# Altium PCB 6_数控电源.PcbDoc
Units mm, origin at the board's own origin, x right, y up, seen from the top; angles counter-clockwise.
Board outline 83.95 x 67.44 mm, 2 copper layers (Top Layer, Bottom Layer); 92 components, 26 nets, 277 pads, 258 vias.
Unrouted connection lines stored in the file: 2.
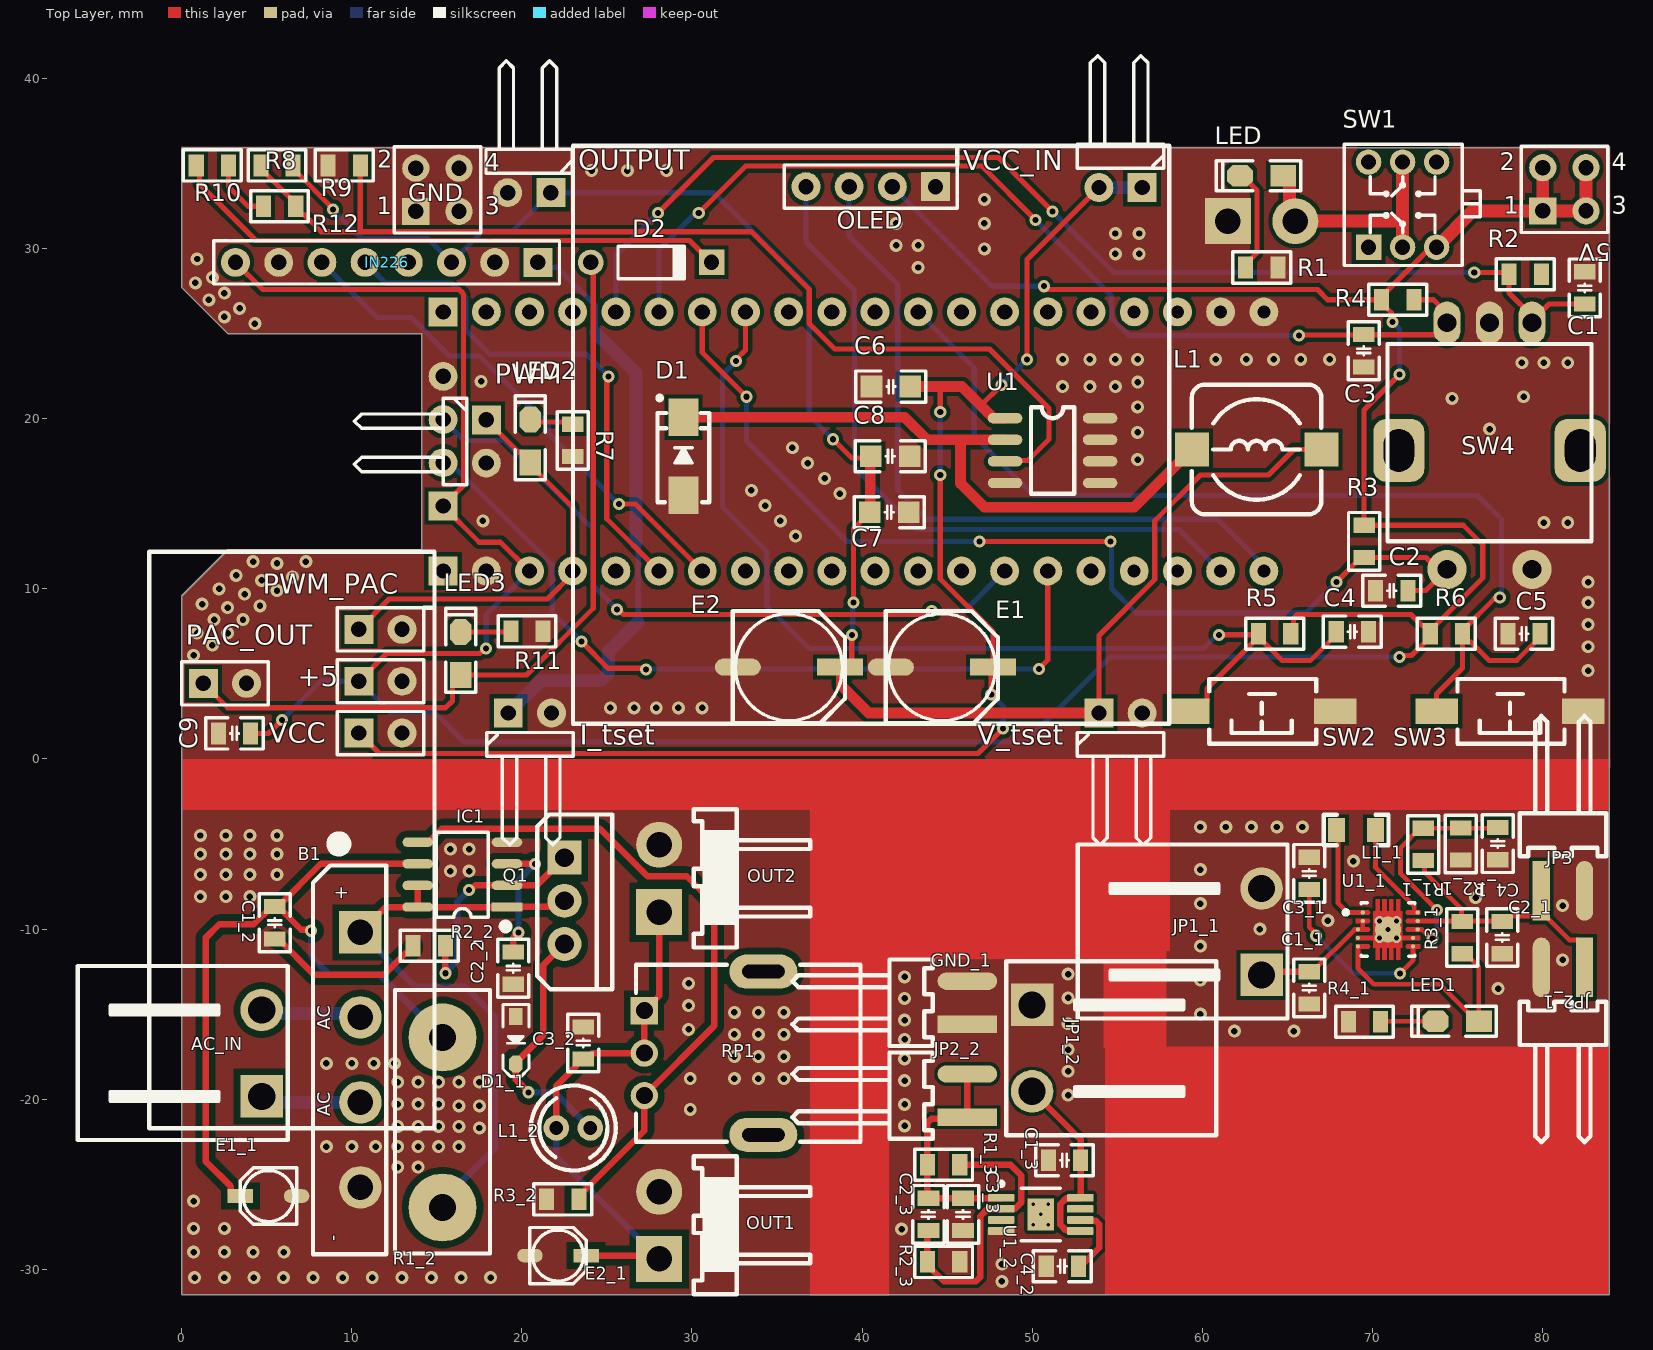
[diagram p0: Top Layer view]
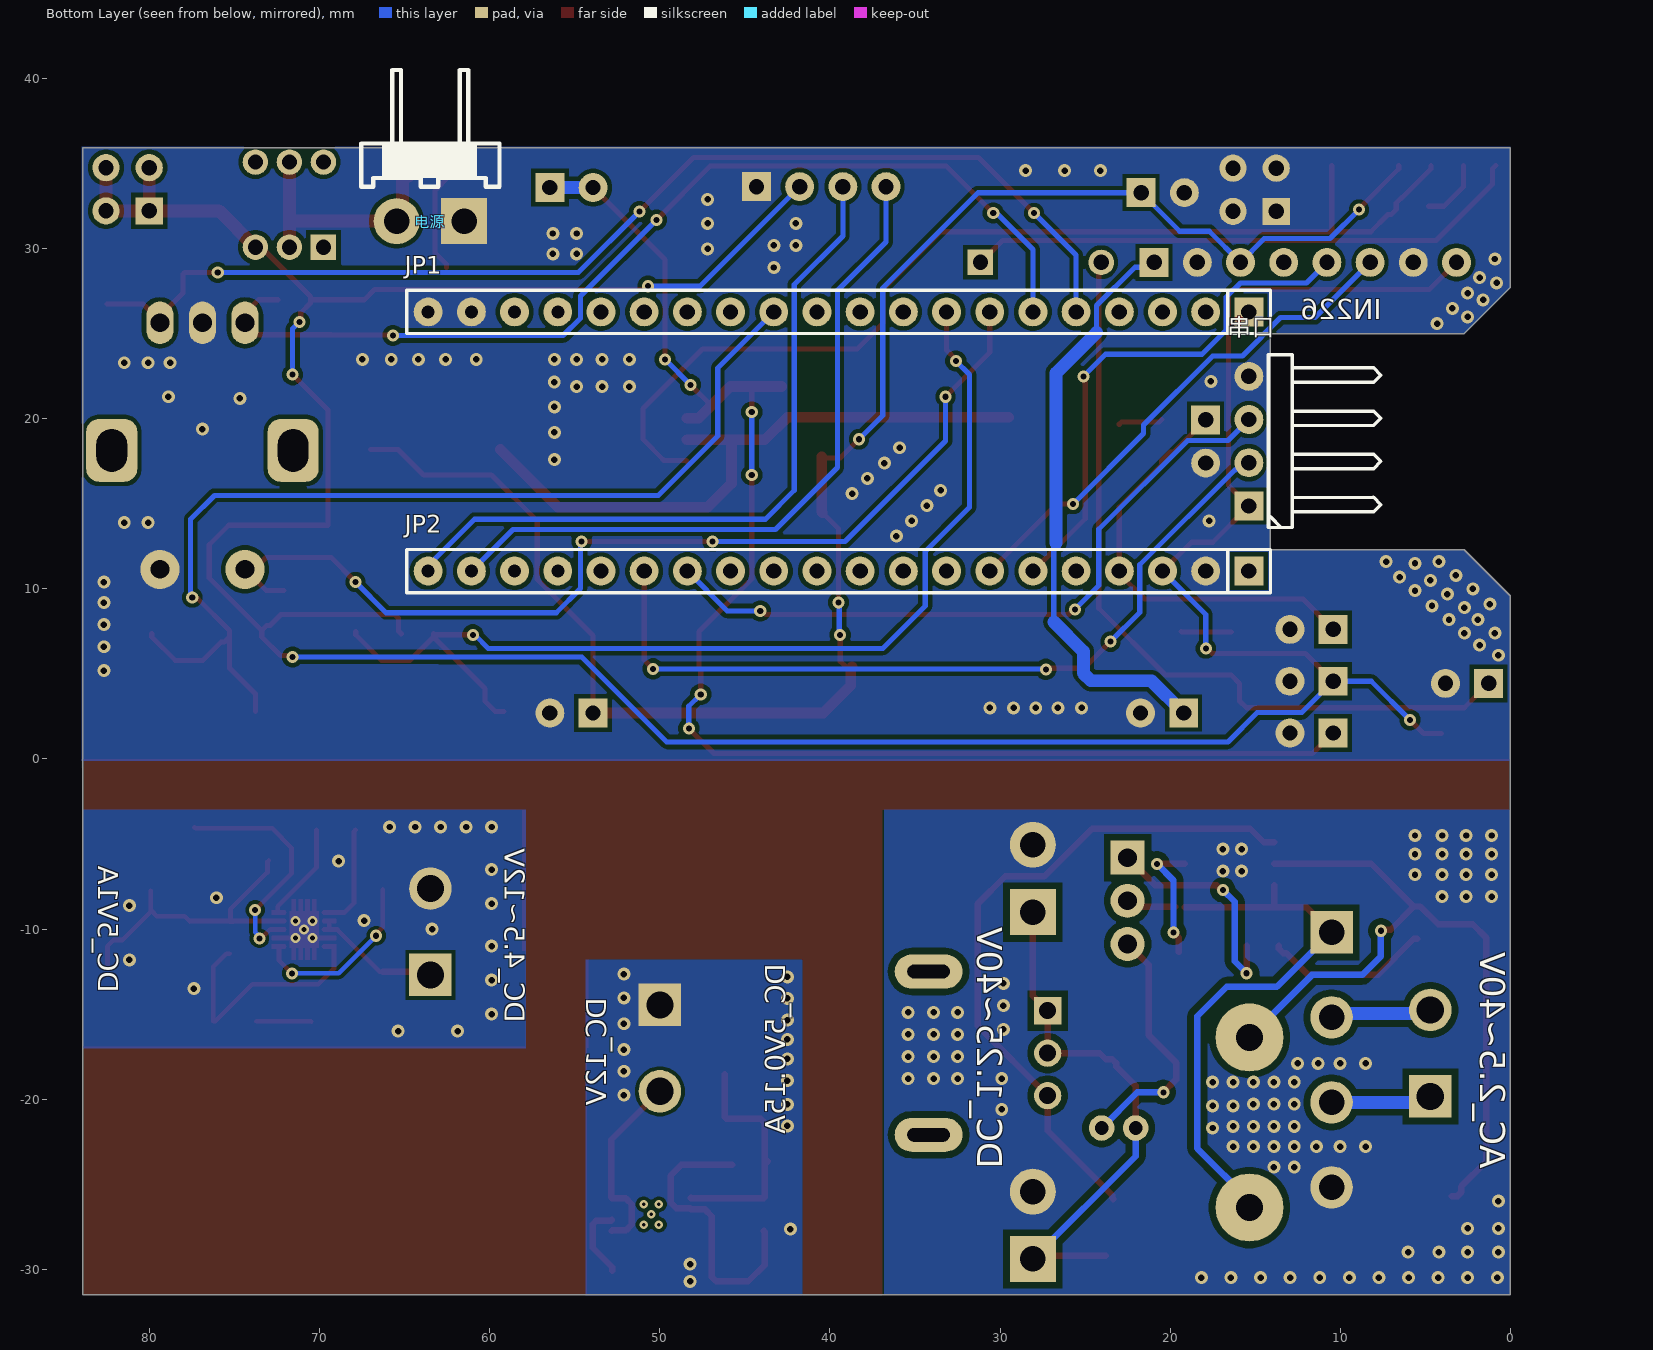
[diagram p1: Bottom Layer view, seen from below]

## Layer stack, top to bottom
Top Solder: solder mask 0.0102, Solder Resist, Dk 3.5
Top Layer: signal copper 0.0356
Dielectric 1: dielectric 0.32, FR-4, Dk 4.8
Bottom Layer: signal copper 0.0356
Bottom Solder: solder mask 0.0102, Solder Resist, Dk 3.5

## Board outline
0,-31.5 0,9.6 2.7,12.3 14.078,12.3 14.097,12.319 14.097,25.019 2.706,25.019 0,27.725 0,35.941 83.947,35.941 83.947,-3 83.95,-3 83.95,-31.5

## Design rules (kind name [scope] priority, off if disabled: settings)
Clearance [All] p1: gap=0.203 ignorepadtopadclearanceinfootprint=FALSE except(0.254: Arc-Poly Track-Poly SMDPad-Poly THPad-Poly Via-Poly Fill-Poly Poly-Poly)
PolygonConnect [All] p1: connectstyle=Direct reliefconductorwidth=0.254 reliefentries=4 polygonreliefangle="90 Angle" airgapwidth=0.254
RoutingVias [All] p1: holewidth=0.356 width=0.711 viastyle="Through Hole" minholewidth=0.025 minwidth=0.025 maxholewidth=0.711 maxwidth=1.27
SolderMaskExpansion [All] p1: expansion=0.102 istentingtop=FALSE
Width [All] p1: maxlimit=0.762 minlimit=0.025 preferedwidth=0.305
30 further rules are at their usual default settings.

## Classes and differential pairs
component class 6_数控电源: 2 5V +5 C1 C2 C3 C4 C5 C6 C7 C8 C9 D1 D2 E1 E2 GND I_tset IN226 JP1 JP2 L1 LED LED2 OLED OUTPUT PAC_OUT PWM PWM_PAC R1 R2 R3 R4 R5 R6 R7 R8 R9 R10 R11 R12 SW1 SW2 SW3 SW4 U1 V_tset VCC VCC_IN 串口 电源

## Components (designator, comment, footprint, x,y, rotation, side; value= is the part's Value field where it differs from the comment)
5V "Header2X2" HDR2.54-LI-2x2P 81.3,33.5 r0 top
+5 "HDR-1X2" HDR2.54-M-LI-2P 11.684,4.572 r0 top
AC_IN "HDR-1X2" KF2EDGK5.08-WI-2P 4.7,-17.3 r90 top
B1 "GBU810" GBU 10.507,-17.692 r90 top
C1 "1nF" "C 0805_L" 82.5,27.7 r270 top
C1_1 "2X10uF" "C 0805_L" 66.292,-13.461 r90 top (schematic designator C1)
C1_2 "104" "C 0805_L" 5.475,-9.625 r270 top (schematic designator C1)
C1_3 "15uF" "C 0805_L" 51.908,-23.606 r0 top (schematic designator C1)
C2 "1nF" "C 0805_L" 71.15,9.9 r0 top
C2_1 "3X22uF" "C 0805_L" 77.65,-10.5 r90 top (schematic designator C2)
C2_2 "180pF" "C 0805_L" 19.5,-12.3 r90 top (schematic designator C2)
C2_3 "10nF" "C 0805_L" 43.907,-26.781 r90 top (schematic designator C2)
C3 "1nF" "C 0805_L" 69.5,24 r90 top
C3_1 "0.1uF" "C 0805_L" 66.292,-6.73 r270 top (schematic designator C3)
C3_2 "104" "C 0805_L" 23.6,-16.7 r270 top (schematic designator C3)
C3_3 "15uF" "C 0805_L" 45.939,-26.781 r90 top (schematic designator C3)
C4 "0.1uF" "C 0805_L" 68.834,7.493 r180 top
C4_1 "10pF" "C 0805_L" 77.375,-4.975 r90 top (schematic designator C4)
C4_2 "10nF" "C 0805_L" 51.781,-29.829 r0 top (schematic designator C4)
C5 "0.1uF" "C 0805_L" 78.928,7.366 r0 top
C6 "104" "C 0805_M" 41.7,21.9 r0 top
C7 "104" "C 0805_M" 41.6,14.5 r180 top
C8 "226" "C 0805_M" 41.657,17.8 r180 top
C9 "104" "C 0805_L" 3.1,1.5 r0 top
D1 "SS14" SMA 29.5,17.8 r90 top
D1_1 "1N5819" SOD-323 19.65,-16.55 r270 top (schematic designator D1)
D2 "1N4148" DO-35 27.6,29.2 r0 top
E1 "100uF/35V" "CT 6*6 - V" 44.7,5.4 r0 top
E1_1 "470uF/50V" "CM A(3*5.4)" 5.1,-25.7 r180 top (schematic designator E1)
E2 "220uF/16V" "CT 6*6 - V" 35.7,5.4 r0 top
E2_1 "1000uF/25V" "CM A(3*5.4)" 22.125,-29.2 r0 top (schematic designator E2)
GND "Header2X2" HDR2.54-LI-2x2P 15.03,33.47 r0 top
GND_1 "HDR-1X2" HDR2.54-WS-2P 46.193,-14.335 r90 top (schematic designator JP3)
I_tset "HDR-1X2" HDR2.54-WI-2P 20.47,2.7 r0 top
IC1 "MC34063" SOP8_N 16.5,-6.8 r180 top
IN226 "HDR-1X8" HDR2.54-M-LI-8P 12.05,29.2 r180 top
JP1 "HDR-1X20" HDR2.54-M-LI-20P 39.497,26.289 r0 bottom
JP1_1 "HDR-1X2" KF2EDGK5.08-WI-2P 63.498,-10.159 r90 top (schematic designator JP1)
JP1_2 "HDR-1X2" KF2EDGK5.08-WI-2P 50.003,-17.002 r270 top (schematic designator JP1)
JP2 "HDR-1X20" HDR2.54-M-LI-20P 39.497,11.049 r0 bottom
JP2_1 "HDR-1X2" HDR2.54-WS-2P 81.217,-12.25 r180 top (schematic designator JP2)
JP2_2 "HDR-1X2" HDR2.54-WS-2P 46.193,-19.796 r90 top (schematic designator JP2)
JP3 "HDR-1X2" HDR2.54-WS-2P 81.217,-7.754 r0 top
L1 "47uH" CDRH73 63.2,18.2 r0 top
L1_1 "1.5uH" "L 0805" 69.05,-4.175 r0 top (schematic designator L1)
L1_2 "470uH" PK0406 23.025,-21.7 r180 top (schematic designator L1)
LED "红色" "LED 0805G" 63.5,34.29 r180 top
LED1 "红色" "LED 0805G" 75,-15.425 r180 top
LED2 "红色" "LED 0805G" 20.495,18.694 r90 top
LED3 "红色" "LED 0805G" 16.4,6.2 r90 top
OLED "HDR-1X4" HDR2.54-M-LI-4P 40.513,33.655 r180 top
OUT1 "HDR-1X2" VH3.96-WI-2P 28.071,-27.421 r90 top
OUT2 "HDR-1X2" VH3.96-WI-2P 28.071,-7.024 r90 top
OUTPUT "HDR-1X2" HDR2.54-WI-2P 20.43,33.3 r180 top
PAC_OUT "HDR-1X2" HDR2.54-M-LI-2P 2.54,4.445 r0 top
PWM "HDR-1X2" HDR2.54-WI-2P 17.907,18.669 r270 top
PWM_PAC "HDR-1X2" HDR2.54-M-LI-2P 11.684,7.62 r0 top
Q1 "MJE13005" TO220A 22.5,-8.34 r270 top
R1 "1K" "R 0805_L" 63.5,28.9 r180 top
R1_1 "1M" "R 0805_L" 73,-5.025 r270 top (schematic designator R1)
R1_2 "0.1/1W" RX10-18*15*5 15.333,-21.375 r270 top (schematic designator R1)
R1_3 "39K" "R 0805_L" 44.796,-23.86 r180 top (schematic designator R1)
R2 "100K" "R 0805_L" 79,28.5 r0 top
R2_1 "111K" "R 0805_L" 75.2,-5 r90 top (schematic designator R2)
R2_2 "2K" "R 0805_L" 14.55,-10.975 r0 top (schematic designator R2)
R2_3 "10K" "R 0805_L" 44.796,-29.575 r180 top (schematic designator R2)
R3 "100K" "R 0805_L" 69.521,12.794 r90 top
R3_1 "1M" "R 0805_L" 75.3,-10.5 r90 top (schematic designator R3)
R3_2 "3.3K" "R 0805_L" 22.4,-25.9 r0 top (schematic designator R3)
R4 "100K" "R 0805_L" 71.5,27 r180 top
R4_1 "1K" "R 0805_L" 69.548,-15.451 r0 top (schematic designator R4)
R5 "10K" "R 0805_L" 64.262,7.366 r0 top
R6 "10K" "R 0805_L" 74.361,7.366 r180 top
R7 "1K" "R 0805_L" 22.987,18.73 r90 top
R8 "8.2K" "R 0805_L" 5.6,34.9 r0 top
R9 "1K" "R 0805_L" 9.55,34.9 r0 top
R10 "6.5K" "R 0805_L" 1.8,34.9 r180 top
R11 "1K" "R 0805_L" 20.3,7.5 r180 top
R12 "0" "R 0805_L" 5.75,32.5 r0 top
RP1 "50K" XV09223NPV-20F 34.2,-17.3 r270 top
SW1 "KET 7X7" "KFT DIP-7X7" 71.787,32.599 r0 top
SW2 "3x6x5" "TSW SMD-3*6*5" 63.5,2.8 r180 top
SW3 "3x6x5" "TSW SMD-3*6*5" 78.1,2.8 r180 top
SW4 "EC11" EC11-B 76.9,18.4 r90 top
U1 "XL1509-ADJ" SOP8 48.437,20.065 r0 top
U1_1 "TPS63060DSCR" FP-DSC0010G-MFG 70.925,-10.025 r0 top (schematic designator U1)
U1_2 "TPS7A4901DGNT" DGN0008D_M 50.511,-26.781 r0 top (schematic designator U1)
V_tset "HDR-1X2" HDR2.54-WI-2P 55.2,2.7 r0 top
VCC "HDR-1X2" HDR2.54-M-LI-2P 11.684,1.524 r0 top
VCC_IN "HDR-1X2" HDR2.54-WI-2P 55.2,33.6 r180 top
串口 "HDR-1X4" HDR2.54-WI-4P 15.367,18.689 r90 bottom
电源 "HDR-1X2" VH3.96-WI-2P 63.5,31.623 r0 bottom

## Footprints (in the part's own frame and the unit in brackets; to place one, negate y for a bottom-side part, rotate by r counter-clockwise, add the part's x,y. Pads: shape width x height; smd on the part's side, far side on the other; paste and mask are expansions set on the pad)
"C 0805_L" [mil] "无极性贴片电容                                        淘宝ID:黄晶宝石"
  rect 35x50 smd: 1(-37.4,0) 2(37.4,0)
  silkscreen extent -67,-36 67,36, body extent -39,-24 39,24, height 20
"C 0805_M" [mil] "无极性贴片电容                                         淘宝ID:黄晶宝石"
  rect 50x50 smd: 1(-45,0) 2(45,0)
  silkscreen extent -81,-36 81,36, body extent -39,-24 39,24, height 20
CDRH73 [mm] "7.3*7.3*3.4mm（长宽高）"
  rect 2x2 smd: 1(-3.81,0) 2(3.81,0)
  silkscreen extent -3.81,-3.81 3.81,3.81, body extent -3.65,-3.65 3.65,3.65, height 3.65
"CM A(3*5.4)" [mm] "贴片电解电容，直径3mm，高5.4mm         淘宝ID:黄晶宝石"
  rect 1.5x0.8 smd: 1(1.651,0)
  oval 1.5x0.8 smd: 2(-1.65,0)
  silkscreen extent -1.65,-1.65 1.65,1.65, body extent -1.9,-1.65 1.9,1.65, height 5.4
"CT 6*6 - V" [mm] "直径6mm，高6mm                             淘宝ID:黄晶宝石"
  rect 2.7x1 smd: 1(3,0)
  oval 2.7x1 smd: 2(-3,0)
  silkscreen extent -3.3,-3.3 3.3,3.3, body extent -3.5,-3.15 3.5,3.15, height 6
DGN0008D_M [mm] "TSOP, 8-Leads, Body 3.1x3.1mm, Pitch 0.65mm, Thermal Pad 1.65x1.51mm, IPC Low Density"
  rrect22% 1.55x0.45 smd: 1(-2.325,0.975) 2(-2.325,0.325) 3(-2.325,-0.325) 4(-2.325,-0.975) 5(2.325,-0.975) 6(2.325,-0.325) 7(2.325,0.325) 8(2.325,0.975)
  rrect6% 1.57x1.89 smd: 9(0,0)
  silkscreen extent -2.45,-1.55 1.15,1.92, body extent -2.45,-1.5 2.45,1.5, height 0.94
DO-35 [mm] "Diode, Axial; Body 3.8 x 1.9 mm (LxDia. max), Lead Dia. 0.53 mm (max)"
  round 1.5 hole 0.9: 1(-3.55,0)
  rect 1.5x1.5 hole 0.9: 2(3.55,0)
  silkscreen extent -1.95,-0.95 2.05,0.95
EC11-B [mm] "数字开关编码器  淘宝ID:黄晶宝石"
  rrect50% 3.7x3 hole 1.8 slot 2.5 at 0 deg: 0(-0.254,5.334) 0(-0.254,-5.334)
  round 2.3 hole 1.1: 1(-7.25,2.5) 2(-7.25,-2.5)
  oval 2.5x1.6 hole 1.1: A(7.25,-2.5) B(7.25,2.5) C(7.25,0)
  silkscreen extent -5.59,-6 6,6, body extent -7.4,-6.24 7.4,6.24, height 22
FP-DSC0010G-MFG [mm]
  round 0.252 smd paste-1000 mask+0: 1(-1.475,1) 2(-1.475,0.5) 3(-1.76,0) 4(-1.76,-0.5) 5(-1.76,-1) 6(1.475,-1) 7(1.475,-0.5) 8(1.75,0) 9(1.75,0.5) 10(1.75,1)
  round 1.53 smd paste-1000 mask+0: 11(0,0)
  Top Layer region: -1.9,1.14 -1.19,1.14 -1.136,1.129 -1.091,1.099 -1.061,1.054 -1.05,1 -1.05,1 -1.061,0.946 -1.091,0.901 -1.136,0.871 -1.19,0.86 -1.19,0.86 -1.9,0.86
  Top Layer region: -1.9,0.64 -1.19,0.64 -1.136,0.629 -1.091,0.599 -1.061,0.554 -1.05,0.5 -1.05,0.5 -1.061,0.446 -1.091,0.401 -1.136,0.371 -1.19,0.36 -1.19,0.36 -1.9,0.36
  Top Layer region: -1.9,0.14 -1.19,0.14 -1.136,0.129 -1.091,0.099 -1.061,0.054 -1.05,0 -1.05,0 -1.061,-0.054 -1.091,-0.099 -1.136,-0.129 -1.19,-0.14 -1.19,-0.14 -1.9,-0.14
  Top Layer region: -1.9,-0.36 -1.19,-0.36 -1.136,-0.371 -1.091,-0.401 -1.061,-0.446 -1.05,-0.5 -1.05,-0.5 -1.061,-0.554 -1.091,-0.599 -1.136,-0.629 -1.19,-0.64 -1.19,-0.64 -1.9,-0.64
  Top Layer region: -1.9,-0.86 -1.19,-0.86 -1.136,-0.871 -1.091,-0.901 -1.061,-0.946 -1.05,-1 -1.05,-1 -1.061,-1.054 -1.091,-1.099 -1.136,-1.129 -1.19,-1.14 -1.19,-1.14 -1.9,-1.14
  Top Layer region: 1.9,-1.14 1.19,-1.14 1.136,-1.129 1.091,-1.099 1.061,-1.054 1.05,-1 1.05,-1 1.061,-0.946 1.091,-0.901 1.136,-0.871 1.19,-0.86 1.19,-0.86 1.9,-0.86
  Top Layer region: 1.9,-0.64 1.19,-0.64 1.136,-0.629 1.091,-0.599 1.061,-0.554 1.05,-0.5 1.05,-0.5 1.061,-0.446 1.091,-0.401 1.136,-0.371 1.19,-0.36 1.19,-0.36 1.9,-0.36
  Top Layer region: 1.9,-0.14 1.19,-0.14 1.136,-0.129 1.091,-0.099 1.061,-0.054 1.05,0 1.05,0 1.061,0.054 1.091,0.099 1.136,0.129 1.19,0.14 1.19,0.14 1.9,0.14
  Top Layer region: 1.9,0.36 1.19,0.36 1.136,0.371 1.091,0.401 1.061,0.446 1.05,0.5 1.05,0.5 1.061,0.554 1.091,0.599 1.136,0.629 1.19,0.64 1.19,0.64 1.9,0.64
  Top Layer region: 1.9,0.86 1.19,0.86 1.136,0.871 1.091,0.901 1.061,0.946 1.05,1 1.05,1 1.061,1.054 1.091,1.099 1.136,1.129 1.19,1.14 1.19,1.14 1.9,1.14
  Top Layer region: -0.85,1.075 -0.725,1.075 -0.725,1.775 -0.475,1.775 -0.475,1.075 -0.325,1.075 -0.325,1.775 -0.075,1.775 -0.075,1.075 0.075,1.075 0.075,1.775 0.325,1.775 0.325,1.075 0.475,1.075 0.475,1.775 0.725,1.775 0.725,1.075 0.85,1.075 0.85,-1.075 0.725,-1.075 0.725,-1.775 0.475,-1.775 0.475,-1.075 0.325,-1.075 0.325,-1.775 0.075,-1.775 0.075,-1.075 -0.075,-1.075 -0.075,-1.775 -0.325,-1.775 -0.325,-1.075 -0.475,-1.075 -0.475,-1.775 -0.725,-1.775 -0.725,-1.075 -0.85,-1.075
  silkscreen extent -2.6,-1.58 1.58,1.58, body extent -2,-1.88 2,1.88, height 0.25
GBU [mm] "整流桥，脚距：5mm/200mil"
  round 2.5 hole 1.5: AC1(-2.5,0) AC2(2.5,0) DC-(-7.5,0)
  rect 2.5x2.5 hole 1.5: DC+(7.5,0)
  silkscreen extent -11.43,-1.52 13.06,2.79, body extent -11,-1.15 11,2.35, height 20.8
HDR2.54-LI-2x2P [mm] "封装库来自淘宝卖家 ID：黄晶宝石"
  rect 1.6x1.6 hole 0.9: 1(-1.27,-1.27)
  round 1.6 hole 0.9: 2(-1.27,1.27) 3(1.27,-1.27) 4(1.27,1.27)
  silkscreen extent -2.54,-2.54 2.54,2.54, body extent -2.54,-2.54 2.54,2.54, height 8.5
HDR2.54-M-LI-2P [mm] "排母，2脚    淘宝ID:黄晶宝石   店铺网址:https://shop463601444.taobao.com"
  rect 1.7x1.7 hole 0.9: 1(-1.27,0)
  round 1.7 hole 0.9: 2(1.27,0)
  silkscreen extent -2.54,-1.27 2.54,1.27, body extent -2.54,-1.27 2.54,1.27, height 8.5
HDR2.54-M-LI-4P [mm] "排母，4脚  淘宝ID:黄晶宝石   店铺网址:https://shop463601444.taobao.com"
  rect 1.7x1.7 hole 0.9: 1(-3.81,0)
  round 1.7 hole 0.9: 2(-1.27,0) 3(1.27,0) 4(3.81,0)
  silkscreen extent -5.08,-1.27 5.08,1.27, body extent -5.08,-1.27 5.08,1.27, height 8.5
HDR2.54-M-LI-8P [mm] "排母，8脚"
  rect 1.7x1.7 hole 0.9: 1(-8.89,0)
  round 1.7 hole 0.9: 2(-6.35,0) 3(-3.81,0) 4(-1.27,0) 5(1.27,0) 6(3.81,0) 7(6.35,0) 8(8.89,0)
  silkscreen extent -10.16,-1.27 10.16,1.27, body extent -10.16,-1.27 10.16,1.27, height 8.5
HDR2.54-M-LI-20P [mm] "排母，20脚"
  rect 1.7x1.7 hole 0.9: 1(-24.13,0)
  round 1.7 hole 0.9: 2(-21.59,0) 3(-19.05,0) 4(-16.51,0) 5(-13.97,0) 6(-11.43,0) 7(-8.89,0) 8(-6.35,0) 9(-3.81,0) 10(-1.27,0) 11(1.27,0) 12(3.81,0) 13(6.35,0) 14(8.89,0) 15(11.43,0) 16(13.97,0)
  round 1.7 hole 0.762: 17(16.51,0) 18(19.05,0) 19(21.59,0) 20(24.13,0)
  silkscreen extent -25.4,-1.27 25.4,1.27, body extent -25.4,-1.27 25.4,1.27, height 8.5
HDR2.54-WI-2P [mm] "弯脚排针，2脚    淘宝ID:黄晶宝石   店铺网址:https://shop463601444.taobao.com"
  rect 1.7x1.7 hole 0.9: 1(-1.27,0)
  round 1.7 hole 0.9: 2(1.27,0)
  silkscreen extent -2.54,-7.76 2.54,-1.14, body extent -2.54,-7.77 2.54,1.27, height 4.85
HDR2.54-WI-4P [mm] "弯脚排针，4脚"
  rect 1.7x1.7 hole 0.9: 1(-3.81,0)
  round 1.7 hole 0.9: 2(-1.27,0) 3(1.27,0) 4(3.81,0)
  silkscreen extent -5.08,-7.76 5.08,-1.14, body extent -5.08,-7.77 5.08,1.27, height 4.85
HDR2.54-WS-2P [mm] "2P卧式贴片排针2.54"
  rect 1.02x3.5 smd: 1(-1.27,0)
  oval 1.02x3.5 smd: 2(1.27,0)
  silkscreen extent -2.54,2.03 2.54,10.29, body extent -2.54,-0.76 2.54,10.34, height 2.54
KF2EDGK5.08-WI-2P [mm] "卧插端子"
  rect 2.5x2.5 hole 1.6: 1(-2.54,0)
  round 2.5 hole 1.6: 2(2.54,0)
  silkscreen extent -5.11,-1.52 5.13,10.82, body extent -5.08,-0.5 5.08,10.8, height 8.5
"KFT DIP-7X7" [mm] "自锁开关，规格：7*7mm      淘宝ID:黄晶宝石"
  rect 1.5x1.5 hole 0.9: 1(-2,-2.5)
  round 1.5 hole 0.9: 2(0,-2.5) 3(2,-2.5) 4(2,2.5) 5(0,2.5) 6(-2,2.5)
  silkscreen extent -3.42,-3.58 4.58,3.56, body extent -3.5,-3.5 3.5,3.5, height 11.2
"L 0805" [mil] "小功率贴片电感        淘宝ID:黄晶宝石"
  rect 40x55 smd: 1(-45,0) 2(45,0)
  silkscreen extent -75,-35 75,35, body extent -39,-24 39,24, height 35
"LED 0805G" [mil] "绿色0805LED"
  rect 60x50 smd: 1(-50,0)
  oct 60x50 smd: 2(50,0)
  silkscreen extent -90,-35 105,35, body extent -39,-25 39,25, height 32
PK0406 [mm] "2*5*8mm(脚距，直径，高）"
  round 1.5 hole 0.8: 1(-1,0) 2(1,0)
  silkscreen extent -2.5,-2.5 2.5,2.5, body extent -2.5,-2.5 2.5,2.5, height 8.02
"R 0805_L" [mil] "1/8W贴片电阻"
  rect 35x50 smd: 1(-37.4,0) 2(37.4,0)
  silkscreen extent -67,-36 67,36, body extent -39,-25 39,25, height 20
RX10-18*15*5 [mm] "18*15*5MM(长*宽*厚)     淘宝ID:黄晶宝石"
  round 4 hole 1.6: 1(-5,0) 2(5,0)
  silkscreen extent -7.79,-2.79 7.7,2.79, body extent -7.5,-2.5 7.5,2.5, height 18.05